# KiCad board LI_ION_charger_5Vout.kicad_pcb (continued)
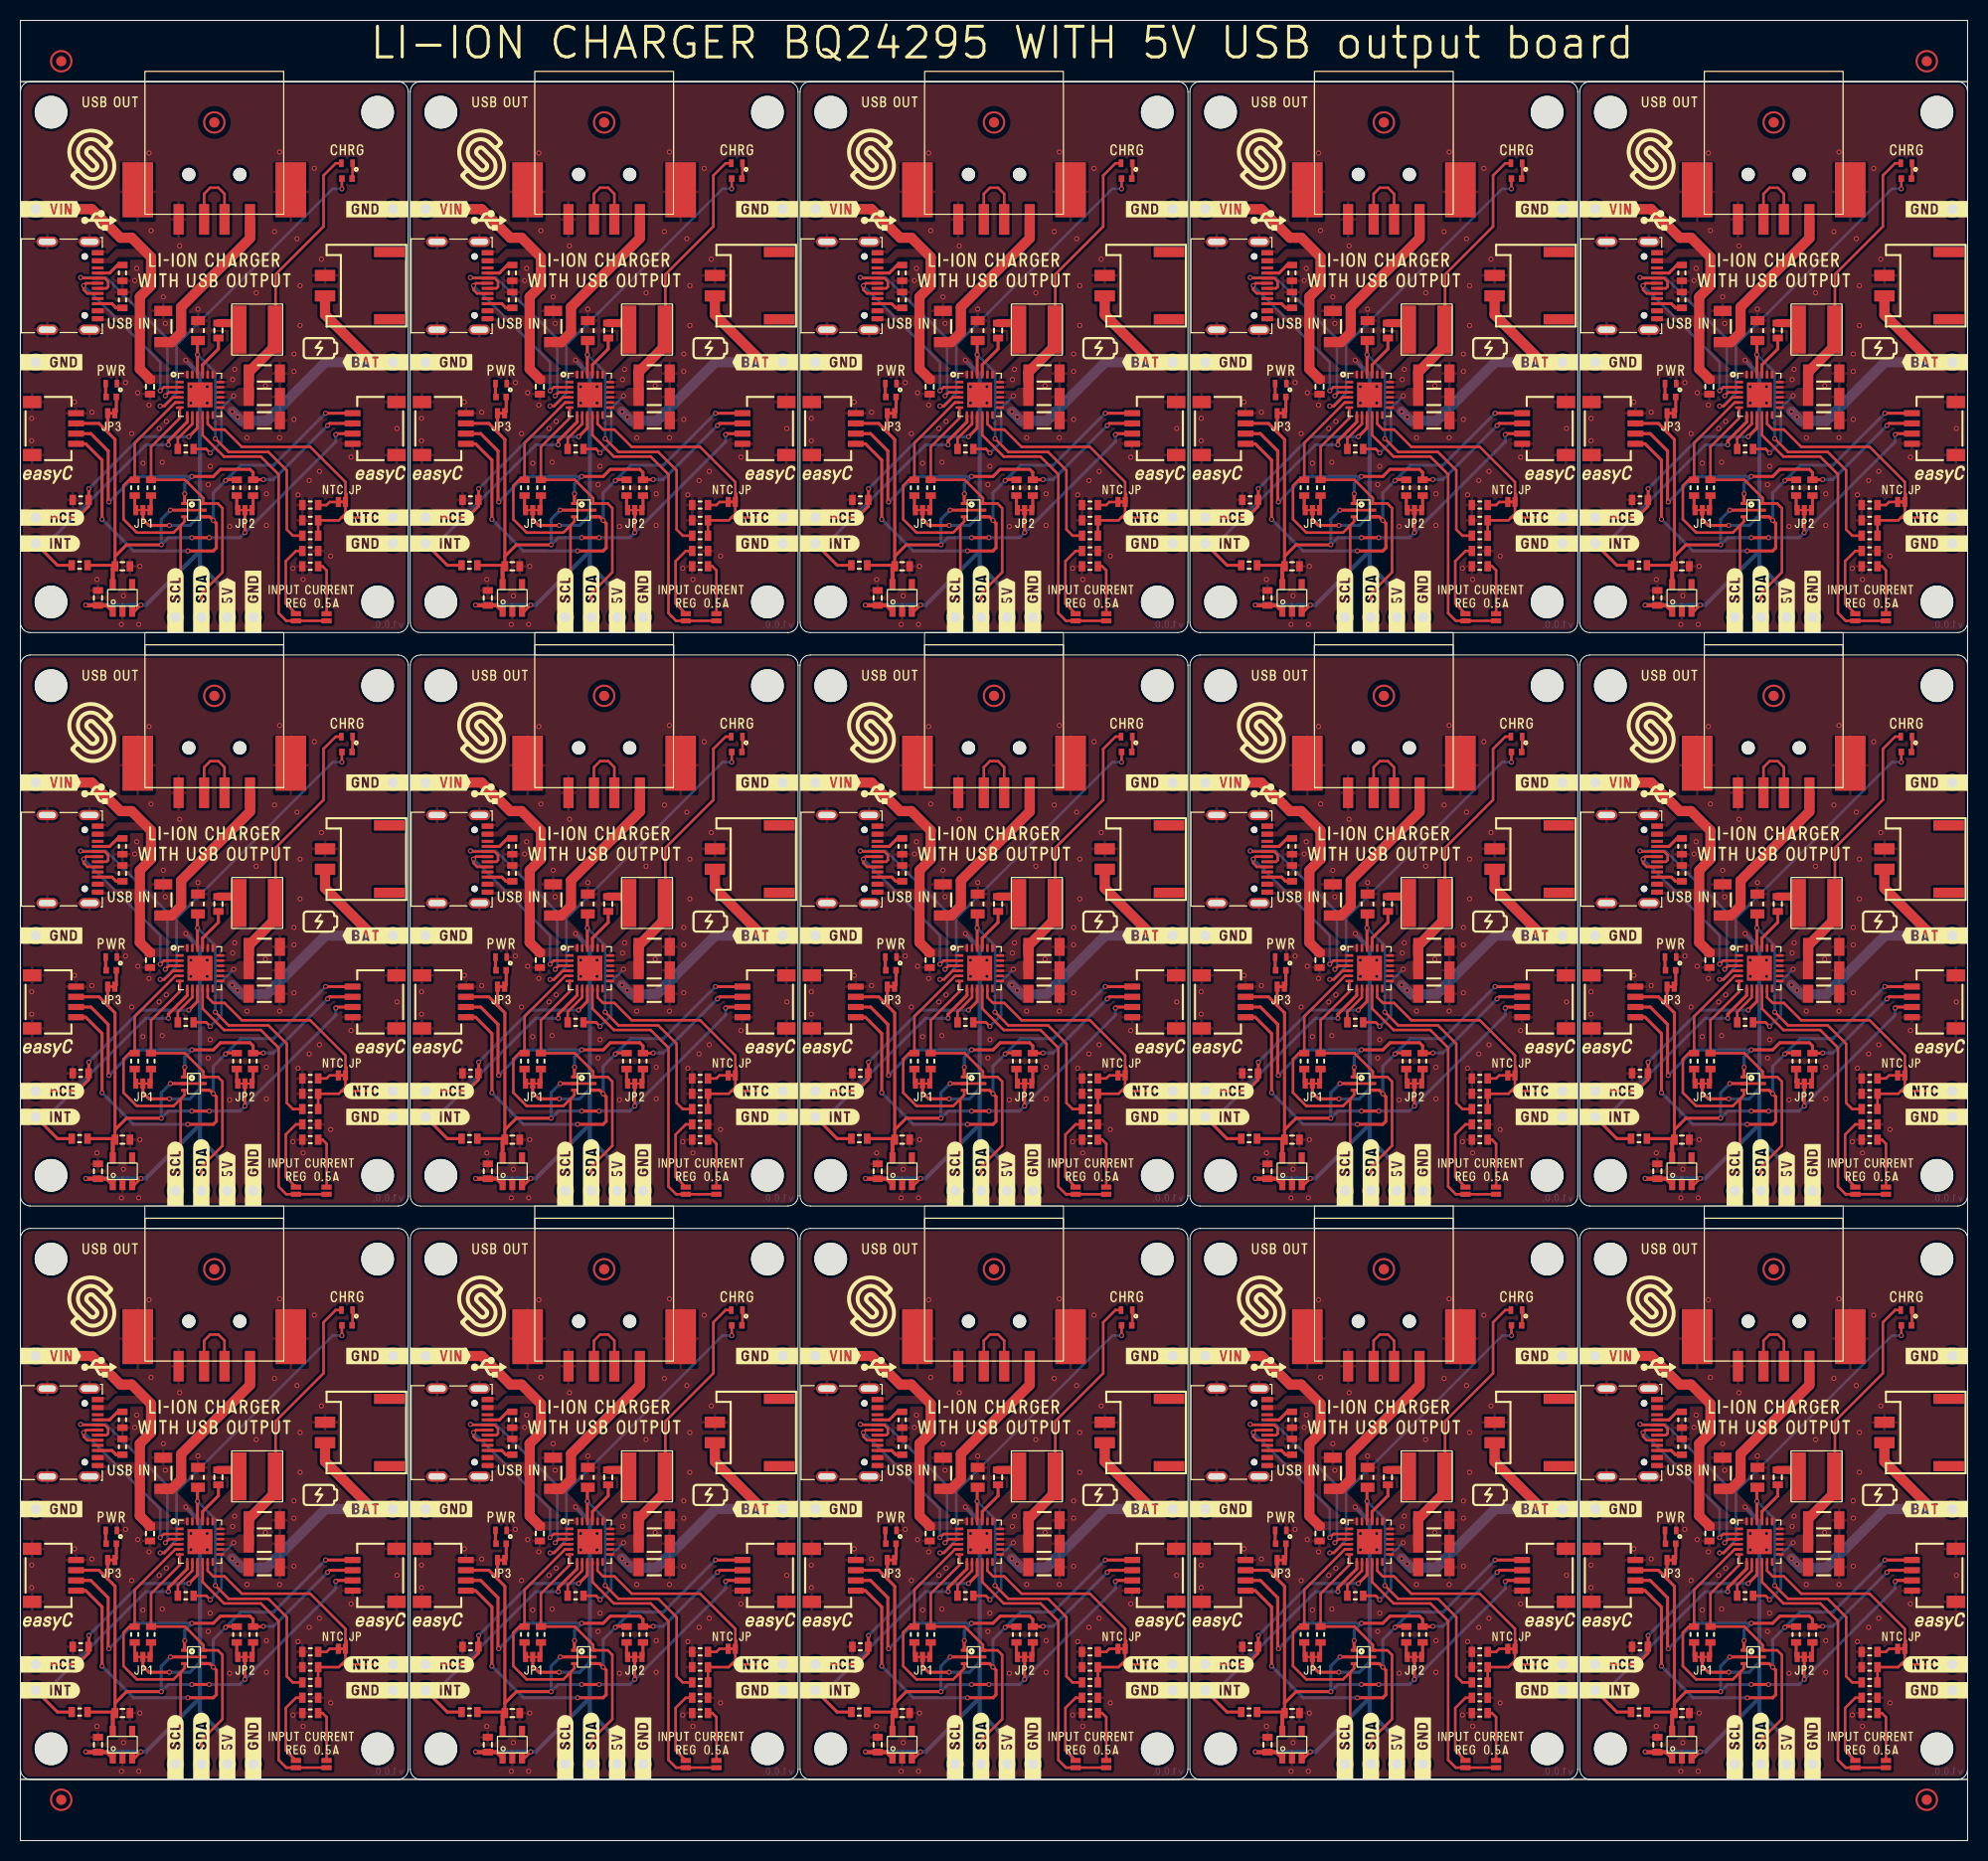
[diagram p0: board, top side]
## Placement (name value [footprint] x y rotation side) (continued)
H3#6  -  [HOLE_3.2mm]  35 121.4 0 top
H3#7  -  [HOLE_3.2mm]  35 9 0 top
H3#8  -  [HOLE_3.2mm]  187.8 121.4 0 top
H3#9  -  [HOLE_3.2mm]  73.2 9 0 top
H3#10  -  [HOLE_3.2mm]  149.6 9 0 top
H3#11  -  [HOLE_3.2mm]  111.4 9 0 top
H3#12  -  [HOLE_3.2mm]  35 65.2 0 top
H3#13  -  [HOLE_3.2mm]  73.2 65.2 0 top
H3#14  -  [HOLE_3.2mm]  149.6 65.2 0 top
H3#15  -  [HOLE_3.2mm]  149.6 121.4 0 top
H4  -  [HOLE_3.2mm]  35 169.4 0 top
H4#2  -  [HOLE_3.2mm]  149.6 57 0 top
H4#3  -  [HOLE_3.2mm]  187.8 169.4 0 top
H4#4  -  [HOLE_3.2mm]  111.4 113.2 0 top
H4#5  -  [HOLE_3.2mm]  187.8 57 0 top
H4#6  -  [HOLE_3.2mm]  35 57 0 top
H4#7  -  [HOLE_3.2mm]  149.6 113.2 0 top
H4#8  -  [HOLE_3.2mm]  73.2 113.2 0 top
H4#9  -  [HOLE_3.2mm]  73.2 169.4 0 top
H4#10  -  [HOLE_3.2mm]  111.4 169.4 0 top
H4#11  -  [HOLE_3.2mm]  149.6 169.4 0 top
H4#12  -  [HOLE_3.2mm]  73.2 57 0 top
H4#13  -  [HOLE_3.2mm]  35 113.2 0 top
H4#14  -  [HOLE_3.2mm]  187.8 113.2 0 top
H4#15  -  [HOLE_3.2mm]  111.4 57 0 top
JP1  -  [SMD_JUMPER_3_PAD_TRACE]  126.6 130.4 0 top
JP1#2  -  [SMD_JUMPER_3_PAD_TRACE]  50.2 130.4 0 top
JP1#3  -  [SMD_JUMPER_3_PAD_TRACE]  12 130.4 0 top
JP1#4  -  [SMD_JUMPER_3_PAD_TRACE]  164.8 18 0 top
JP1#5  -  [SMD_JUMPER_3_PAD_TRACE]  50.2 18 0 top
JP1#6  -  [SMD_JUMPER_3_PAD_TRACE]  126.6 18 0 top
JP1#7  -  [SMD_JUMPER_3_PAD_TRACE]  164.8 130.4 0 top
JP1#8  -  [SMD_JUMPER_3_PAD_TRACE]  126.6 74.2 0 top
JP1#9  -  [SMD_JUMPER_3_PAD_TRACE]  164.8 74.2 0 top
JP1#10  -  [SMD_JUMPER_3_PAD_TRACE]  88.4 130.4 0 top
JP1#11  -  [SMD_JUMPER_3_PAD_TRACE]  50.2 74.2 0 top
JP1#12  -  [SMD_JUMPER_3_PAD_TRACE]  88.4 74.2 0 top
JP1#13  -  [SMD_JUMPER_3_PAD_TRACE]  12 18 0 top
JP1#14  -  [SMD_JUMPER_3_PAD_TRACE]  12 74.2 0 top
JP1#15  -  [SMD_JUMPER_3_PAD_TRACE]  88.4 18 0 top
JP2  -  [SMD-JUMPER-CONNECTED_TRACE_SLODERMASK]  107.9 131.2 180 top
JP2#2  -  [SMD-JUMPER-CONNECTED_TRACE_SLODERMASK]  31.5 131.2 180 top
JP2#3  -  [SMD-JUMPER-CONNECTED_TRACE_SLODERMASK]  184.3 75 180 top
JP2#4  -  [SMD-JUMPER-CONNECTED_TRACE_SLODERMASK]  184.3 18.8 180 top
JP2#5  -  [SMD-JUMPER-CONNECTED_TRACE_SLODERMASK]  107.9 75 180 top
JP2#6  -  [SMD-JUMPER-CONNECTED_TRACE_SLODERMASK]  184.3 131.2 180 top
JP2#7  -  [SMD-JUMPER-CONNECTED_TRACE_SLODERMASK]  107.9 18.8 180 top
JP2#8  -  [SMD-JUMPER-CONNECTED_TRACE_SLODERMASK]  146.1 75 180 top
JP2#9  -  [SMD-JUMPER-CONNECTED_TRACE_SLODERMASK]  69.7 75 180 top
JP2#10  -  [SMD-JUMPER-CONNECTED_TRACE_SLODERMASK]  69.7 18.8 180 top
JP2#11  -  [SMD-JUMPER-CONNECTED_TRACE_SLODERMASK]  146.1 18.8 180 top
JP2#12  -  [SMD-JUMPER-CONNECTED_TRACE_SLODERMASK]  69.7 131.2 180 top
JP2#13  -  [SMD-JUMPER-CONNECTED_TRACE_SLODERMASK]  146.1 131.2 180 top
JP2#14  -  [SMD-JUMPER-CONNECTED_TRACE_SLODERMASK]  31.5 75 180 top
JP2#15  -  [SMD-JUMPER-CONNECTED_TRACE_SLODERMASK]  31.5 18.8 180 top
JP3  -  [SMD_JUMPER_3_PAD_TRACE]  98.4 74.2 0 top
JP3#2  -  [SMD_JUMPER_3_PAD_TRACE]  22 130.4 0 top
JP3#3  -  [SMD_JUMPER_3_PAD_TRACE]  174.8 130.4 0 top
JP3#4  -  [SMD_JUMPER_3_PAD_TRACE]  22 18 0 top
JP3#5  -  [SMD_JUMPER_3_PAD_TRACE]  98.4 130.4 0 top
JP3#6  -  [SMD_JUMPER_3_PAD_TRACE]  60.2 74.2 0 top
JP3#7  -  [SMD_JUMPER_3_PAD_TRACE]  174.8 74.2 0 top
JP3#8  -  [SMD_JUMPER_3_PAD_TRACE]  60.2 18 0 top
JP3#9  -  [SMD_JUMPER_3_PAD_TRACE]  136.6 130.4 0 top
JP3#10  -  [SMD_JUMPER_3_PAD_TRACE]  98.4 18 0 top
JP3#11  -  [SMD_JUMPER_3_PAD_TRACE]  136.6 74.2 0 top
JP3#12  -  [SMD_JUMPER_3_PAD_TRACE]  60.2 130.4 0 top
JP3#13  -  [SMD_JUMPER_3_PAD_TRACE]  174.8 18 0 top
JP3#14  -  [SMD_JUMPER_3_PAD_TRACE]  22 74.2 0 top
JP3#15  -  [SMD_JUMPER_3_PAD_TRACE]  136.6 18 0 top
JP4  SMD-JUMPER-CONNECTED  [SMD_JUMPER_CONNECTED]  103.4 119.9 270 top
JP4#2  SMD-JUMPER-CONNECTED  [SMD_JUMPER_CONNECTED]  65.2 119.9 270 top
JP4#3  SMD-JUMPER-CONNECTED  [SMD_JUMPER_CONNECTED]  141.6 7.5 270 top
JP4#4  SMD-JUMPER-CONNECTED  [SMD_JUMPER_CONNECTED]  27 119.9 270 top
JP4#5  SMD-JUMPER-CONNECTED  [SMD_JUMPER_CONNECTED]  141.6 63.7 270 top
JP4#6  SMD-JUMPER-CONNECTED  [SMD_JUMPER_CONNECTED]  65.2 7.5 270 top
JP4#7  SMD-JUMPER-CONNECTED  [SMD_JUMPER_CONNECTED]  103.4 7.5 270 top
JP4#8  SMD-JUMPER-CONNECTED  [SMD_JUMPER_CONNECTED]  141.6 119.9 270 top
JP4#9  SMD-JUMPER-CONNECTED  [SMD_JUMPER_CONNECTED]  179.8 63.7 270 top
JP4#10  SMD-JUMPER-CONNECTED  [SMD_JUMPER_CONNECTED]  65.2 63.7 270 top
JP4#11  SMD-JUMPER-CONNECTED  [SMD_JUMPER_CONNECTED]  27 63.7 270 top
JP4#12  SMD-JUMPER-CONNECTED  [SMD_JUMPER_CONNECTED]  179.8 119.9 270 top
JP4#13  SMD-JUMPER-CONNECTED  [SMD_JUMPER_CONNECTED]  103.4 63.7 270 top
JP4#14  SMD-JUMPER-CONNECTED  [SMD_JUMPER_CONNECTED]  179.8 7.5 270 top
JP4#15  SMD-JUMPER-CONNECTED  [SMD_JUMPER_CONNECTED]  27 7.5 270 top
JP5  -  [SMD_JUMPER]  144.6 7.5 270 top
JP5#2  -  [SMD_JUMPER]  144.6 119.9 270 top
JP5#3  -  [SMD_JUMPER]  30 119.9 270 top
JP5#4  -  [SMD_JUMPER]  30 7.5 270 top
JP5#5  -  [SMD_JUMPER]  68.2 7.5 270 top
JP5#6  -  [SMD_JUMPER]  182.8 7.5 270 top
JP5#7  -  [SMD_JUMPER]  68.2 119.9 270 top
JP5#8  -  [SMD_JUMPER]  106.4 7.5 270 top
JP5#9  -  [SMD_JUMPER]  182.8 63.7 270 top
JP5#10  -  [SMD_JUMPER]  106.4 63.7 270 top
JP5#11  -  [SMD_JUMPER]  68.2 63.7 270 top
JP5#12  -  [SMD_JUMPER]  30 63.7 270 top
JP5#13  -  [SMD_JUMPER]  106.4 119.9 270 top
JP5#14  -  [SMD_JUMPER]  182.8 119.9 270 top
JP5#15  -  [SMD_JUMPER]  144.6 63.7 270 top
JP6  -  [SMD-JUMPER-CONNECTED_TRACE_SLODERMASK]  85.3 27.5 0 top
JP6#2  -  [SMD-JUMPER-CONNECTED_TRACE_SLODERMASK]  8.9 139.9 0 top
JP6#3  -  [SMD-JUMPER-CONNECTED_TRACE_SLODERMASK]  8.9 27.5 0 top
JP6#4  -  [SMD-JUMPER-CONNECTED_TRACE_SLODERMASK]  123.5 27.5 0 top
JP6#5  -  [SMD-JUMPER-CONNECTED_TRACE_SLODERMASK]  161.7 139.9 0 top
JP6#6  -  [SMD-JUMPER-CONNECTED_TRACE_SLODERMASK]  85.3 83.7 0 top
JP6#7  -  [SMD-JUMPER-CONNECTED_TRACE_SLODERMASK]  123.5 139.9 0 top
JP6#8  -  [SMD-JUMPER-CONNECTED_TRACE_SLODERMASK]  47.1 27.5 0 top
JP6#9  -  [SMD-JUMPER-CONNECTED_TRACE_SLODERMASK]  47.1 83.7 0 top
JP6#10  -  [SMD-JUMPER-CONNECTED_TRACE_SLODERMASK]  8.9 83.7 0 top
JP6#11  -  [SMD-JUMPER-CONNECTED_TRACE_SLODERMASK]  85.3 139.9 0 top
JP6#12  -  [SMD-JUMPER-CONNECTED_TRACE_SLODERMASK]  47.1 139.9 0 top
JP6#13  -  [SMD-JUMPER-CONNECTED_TRACE_SLODERMASK]  161.7 27.5 0 top
JP6#14  -  [SMD-JUMPER-CONNECTED_TRACE_SLODERMASK]  161.7 83.7 0 top
JP6#15  -  [SMD-JUMPER-CONNECTED_TRACE_SLODERMASK]  123.5 83.7 0 top
K1  -  [HEADER_MALE_2X1]  74.7 16 270 bottom
K1#2  -  [HEADER_MALE_2X1]  151.1 72.2 270 bottom
K1#3  -  [HEADER_MALE_2X1]  151.1 128.4 270 bottom
K1#4  -  [HEADER_MALE_2X1]  189.3 16 270 bottom
K1#5  -  [HEADER_MALE_2X1]  112.9 72.2 270 bottom
K1#6  -  [HEADER_MALE_2X1]  36.5 16 270 bottom
K1#7  -  [HEADER_MALE_2X1]  74.7 72.2 270 bottom
K1#8  -  [HEADER_MALE_2X1]  151.1 16 270 bottom
K1#9  -  [HEADER_MALE_2X1]  74.7 128.4 270 bottom
K1#10  -  [HEADER_MALE_2X1]  112.9 128.4 270 bottom
K1#11  -  [HEADER_MALE_2X1]  36.5 72.2 270 bottom
K1#12  -  [HEADER_MALE_2X1]  189.3 128.4 270 bottom
K1#13  -  [HEADER_MALE_2X1]  36.5 128.4 270 bottom
K1#14  -  [HEADER_MALE_2X1]  189.3 72.2 270 bottom
K1#15  -  [HEADER_MALE_2X1]  112.9 16 270 bottom
K2  -  [HEADER_MALE_1X1]  77.9 103.7 180 bottom
K2#2  -  [HEADER_MALE_1X1]  154.3 103.7 180 bottom
K2#3  -  [HEADER_MALE_1X1]  39.7 103.7 180 bottom
K2#4  -  [HEADER_MALE_1X1]  116.1 159.9 180 bottom
K2#5  -  [HEADER_MALE_1X1]  1.5 47.5 180 bottom
K2#6  -  [HEADER_MALE_1X1]  154.3 159.9 180 bottom
K2#7  -  [HEADER_MALE_1X1]  77.9 159.9 180 bottom
K2#8  -  [HEADER_MALE_1X1]  1.5 103.7 180 bottom
K2#9  -  [HEADER_MALE_1X1]  77.9 47.5 180 bottom
K2#10  -  [HEADER_MALE_1X1]  116.1 103.7 180 bottom
K2#11  -  [HEADER_MALE_1X1]  39.7 47.5 180 bottom
K2#12  -  [HEADER_MALE_1X1]  1.5 159.9 180 bottom
K2#13  -  [HEADER_MALE_1X1]  116.1 47.5 180 bottom
K2#14  -  [HEADER_MALE_1X1]  39.7 159.9 180 bottom
K2#15  -  [HEADER_MALE_1X1]  154.3 47.5 180 bottom
K3  -  [HEADER_MALE_1X1]  39.7 144.9 180 bottom
K3#2  -  [HEADER_MALE_1X1]  1.5 144.9 180 bottom
K3#3  -  [HEADER_MALE_1X1]  1.5 88.7 180 bottom
K3#4  -  [HEADER_MALE_1X1]  39.7 32.5 180 bottom
K3#5  -  [HEADER_MALE_1X1]  77.9 144.9 180 bottom
K3#6  -  [HEADER_MALE_1X1]  116.1 144.9 180 bottom
K3#7  -  [HEADER_MALE_1X1]  1.5 32.5 180 bottom
K3#8  -  [HEADER_MALE_1X1]  77.9 32.5 180 bottom
K3#9  -  [HEADER_MALE_1X1]  154.3 88.7 180 bottom
K3#10  -  [HEADER_MALE_1X1]  77.9 88.7 180 bottom
K3#11  -  [HEADER_MALE_1X1]  154.3 144.9 180 bottom
K3#12  -  [HEADER_MALE_1X1]  116.1 88.7 180 bottom
K3#13  -  [HEADER_MALE_1X1]  116.1 32.5 180 bottom
K3#14  -  [HEADER_MALE_1X1]  154.3 32.5 180 bottom
K3#15  -  [HEADER_MALE_1X1]  39.7 88.7 180 bottom
K4  -  [U262-161N-4BVC11]  5.1 152.4 270 top
K4#2  -  [U262-161N-4BVC11]  81.5 96.2 270 top
K4#3  -  [U262-161N-4BVC11]  5.1 40 270 top
K4#4  -  [U262-161N-4BVC11]  119.7 96.2 270 top
K4#5  -  [U262-161N-4BVC11]  119.7 152.4 270 top
K4#6  -  [U262-161N-4BVC11]  81.5 40 270 top
K4#7  -  [U262-161N-4BVC11]  43.3 40 270 top
K4#8  -  [U262-161N-4BVC11]  157.9 96.2 270 top
K4#9  -  [U262-161N-4BVC11]  81.5 152.4 270 top
K4#10  -  [U262-161N-4BVC11]  43.3 96.2 270 top
K4#11  -  [U262-161N-4BVC11]  119.7 40 270 top
K4#12  -  [U262-161N-4BVC11]  5.1 96.2 270 top
K4#13  -  [U262-161N-4BVC11]  157.9 40 270 top
K4#14  -  [U262-161N-4BVC11]  157.9 152.4 270 top
K4#15  -  [U262-161N-4BVC11]  43.3 152.4 270 top
K5  easyC-SMD  [easyC-connector]  72.9 138.4 270 top
K5#2  easyC-SMD  [easyC-connector]  111.1 82.2 270 top
K5#3  easyC-SMD  [easyC-connector]  34.7 138.4 270 top
K5#4  easyC-SMD  [easyC-connector]  34.7 26 270 top
K5#5  easyC-SMD  [easyC-connector]  111.1 138.4 270 top
K5#6  easyC-SMD  [easyC-connector]  72.9 26 270 top
K5#7  easyC-SMD  [easyC-connector]  149.3 82.2 270 top
K5#8  easyC-SMD  [easyC-connector]  149.3 138.4 270 top
K5#9  easyC-SMD  [easyC-connector]  34.7 82.2 270 top
K5#10  easyC-SMD  [easyC-connector]  111.1 26 270 top
K5#11  easyC-SMD  [easyC-connector]  187.5 138.4 270 top
K5#12  easyC-SMD  [easyC-connector]  72.9 82.2 270 top
K5#13  easyC-SMD  [easyC-connector]  187.5 82.2 270 top
K5#14  easyC-SMD  [easyC-connector]  187.5 26 270 top
K5#15  easyC-SMD  [easyC-connector]  149.3 26 270 top
K6  -  [HEADER_MALE_4X1]  19 7.5 180 bottom
K6#2  -  [HEADER_MALE_4X1]  19 119.9 180 bottom
K6#3  -  [HEADER_MALE_4X1]  171.8 63.7 180 bottom
K6#4  -  [HEADER_MALE_4X1]  171.8 7.5 180 bottom
K6#5  -  [HEADER_MALE_4X1]  57.2 119.9 180 bottom
K6#6  -  [HEADER_MALE_4X1]  171.8 119.9 180 bottom
K6#7  -  [HEADER_MALE_4X1]  57.2 63.7 180 bottom
K6#8  -  [HEADER_MALE_4X1]  95.4 7.5 180 bottom
K6#9  -  [HEADER_MALE_4X1]  133.6 7.5 180 bottom
K6#10  -  [HEADER_MALE_4X1]  133.6 119.9 180 bottom
K6#11  -  [HEADER_MALE_4X1]  133.6 63.7 180 bottom
K6#12  -  [HEADER_MALE_4X1]  57.2 7.5 180 bottom
K6#13  -  [HEADER_MALE_4X1]  95.4 63.7 180 bottom
K6#14  -  [HEADER_MALE_4X1]  95.4 119.9 180 bottom
K6#15  -  [HEADER_MALE_4X1]  19 63.7 180 bottom
K7  -  [JST-2pin-SMD]  71.2 96.2 270 top
K7#2  -  [JST-2pin-SMD]  147.6 96.2 270 top
K7#3  -  [JST-2pin-SMD]  71.2 40 270 top
K7#4  -  [JST-2pin-SMD]  109.4 40 270 top
K7#5  -  [JST-2pin-SMD]  185.8 40 270 top
K7#6  -  [JST-2pin-SMD]  33 40 270 top
K7#7  -  [JST-2pin-SMD]  185.8 152.4 270 top
K7#8  -  [JST-2pin-SMD]  147.6 152.4 270 top
K7#9  -  [JST-2pin-SMD]  109.4 96.2 270 top
K7#10  -  [JST-2pin-SMD]  109.4 152.4 270 top
K7#11  -  [JST-2pin-SMD]  71.2 152.4 270 top
K7#12  -  [JST-2pin-SMD]  185.8 96.2 270 top
K7#13  -  [JST-2pin-SMD]  33 152.4 270 top
K7#14  -  [JST-2pin-SMD]  33 96.2 270 top
K7#15  -  [JST-2pin-SMD]  147.6 40 270 top
K8  -  [HEADER_MALE_1X1]  36.5 88.7 180 bottom
K8#2  -  [HEADER_MALE_1X1]  189.3 144.9 180 bottom
K8#3  -  [HEADER_MALE_1X1]  189.3 88.7 180 bottom
K8#4  -  [HEADER_MALE_1X1]  112.9 88.7 180 bottom
K8#5  -  [HEADER_MALE_1X1]  36.5 144.9 180 bottom
K8#6  -  [HEADER_MALE_1X1]  74.7 144.9 180 bottom
K8#7  -  [HEADER_MALE_1X1]  112.9 144.9 180 bottom
K8#8  -  [HEADER_MALE_1X1]  74.7 32.5 180 bottom
K8#9  -  [HEADER_MALE_1X1]  151.1 32.5 180 bottom
K8#10  -  [HEADER_MALE_1X1]  36.5 32.5 180 bottom
K8#11  -  [HEADER_MALE_1X1]  151.1 88.7 180 bottom
K8#12  -  [HEADER_MALE_1X1]  112.9 32.5 180 bottom
K8#13  -  [HEADER_MALE_1X1]  74.7 88.7 180 bottom
K8#14  -  [HEADER_MALE_1X1]  151.1 144.9 180 bottom
K8#15  -  [HEADER_MALE_1X1]  189.3 32.5 180 bottom
K9  -  [HEADER_MALE_1X1]  74.7 47.5 180 bottom
K9#2  -  [HEADER_MALE_1X1]  151.1 159.9 180 bottom
K9#3  -  [HEADER_MALE_1X1]  189.3 47.5 180 bottom
K9#4  -  [HEADER_MALE_1X1]  112.9 103.7 180 bottom
K9#5  -  [HEADER_MALE_1X1]  112.9 159.9 180 bottom
K9#6  -  [HEADER_MALE_1X1]  36.5 103.7 180 bottom
K9#7  -  [HEADER_MALE_1X1]  189.3 103.7 180 bottom
K9#8  -  [HEADER_MALE_1X1]  151.1 47.5 180 bottom
K9#9  -  [HEADER_MALE_1X1]  189.3 159.9 180 bottom
K9#10  -  [HEADER_MALE_1X1]  112.9 47.5 180 bottom
K9#11  -  [HEADER_MALE_1X1]  74.7 159.9 180 bottom
K9#12  -  [HEADER_MALE_1X1]  36.5 159.9 180 bottom
K9#13  -  [HEADER_MALE_1X1]  36.5 47.5 180 bottom
K9#14  -  [HEADER_MALE_1X1]  74.7 103.7 180 bottom
K9#15  -  [HEADER_MALE_1X1]  151.1 103.7 180 bottom
K10  -  [HEADER_MALE_2X1]  1.5 72.2 270 bottom
K10#2  -  [HEADER_MALE_2X1]  77.9 16 270 bottom
K10#3  -  [HEADER_MALE_2X1]  77.9 128.4 270 bottom
K10#4  -  [HEADER_MALE_2X1]  39.7 72.2 270 bottom
K10#5  -  [HEADER_MALE_2X1]  116.1 72.2 270 bottom
K10#6  -  [HEADER_MALE_2X1]  154.3 16 270 bottom
K10#7  -  [HEADER_MALE_2X1]  154.3 72.2 270 bottom
K10#8  -  [HEADER_MALE_2X1]  39.7 16 270 bottom
K10#9  -  [HEADER_MALE_2X1]  1.5 16 270 bottom
K10#10  -  [HEADER_MALE_2X1]  154.3 128.4 270 bottom
K10#11  -  [HEADER_MALE_2X1]  77.9 72.2 270 bottom
K10#12  -  [HEADER_MALE_2X1]  1.5 128.4 270 bottom
K10#13  -  [HEADER_MALE_2X1]  116.1 16 270 bottom
K10#14  -  [HEADER_MALE_2X1]  39.7 128.4 270 bottom
K10#15  -  [HEADER_MALE_2X1]  116.1 128.4 270 bottom
K11  easyC-SMD  [easyC-connector]  41.5 82.2 90 top
K11#2  easyC-SMD  [easyC-connector]  117.9 138.4 90 top
K11#3  easyC-SMD  [easyC-connector]  79.7 26 90 top
K11#4  easyC-SMD  [easyC-connector]  79.7 82.2 90 top
K11#5  easyC-SMD  [easyC-connector]  3.3 138.4 90 top
K11#6  easyC-SMD  [easyC-connector]  3.3 26 90 top
K11#7  easyC-SMD  [easyC-connector]  3.3 82.2 90 top
K11#8  easyC-SMD  [easyC-connector]  156.1 82.2 90 top
K11#9  easyC-SMD  [easyC-connector]  117.9 82.2 90 top
K11#10  easyC-SMD  [easyC-connector]  79.7 138.4 90 top
K11#11  easyC-SMD  [easyC-connector]  41.5 138.4 90 top
K11#12  easyC-SMD  [easyC-connector]  41.5 26 90 top
K11#13  easyC-SMD  [easyC-connector]  156.1 26 90 top
K11#14  easyC-SMD  [easyC-connector]  117.9 26 90 top
K11#15  easyC-SMD  [easyC-connector]  156.1 138.4 90 top
K12  USB_A_FEMALE_CONNECTOR  [USB_A_FEMALE_CONECTOR]  19 46.5 180 top
K12#2  USB_A_FEMALE_CONNECTOR  [USB_A_FEMALE_CONECTOR]  171.8 158.9 180 top
K12#3  USB_A_FEMALE_CONNECTOR  [USB_A_FEMALE_CONECTOR]  133.6 158.9 180 top
K12#4  USB_A_FEMALE_CONNECTOR  [USB_A_FEMALE_CONECTOR]  133.6 102.7 180 top
K12#5  USB_A_FEMALE_CONNECTOR  [USB_A_FEMALE_CONECTOR]  57.2 46.5 180 top
K12#6  USB_A_FEMALE_CONNECTOR  [USB_A_FEMALE_CONECTOR]  19 102.7 180 top
K12#7  USB_A_FEMALE_CONNECTOR  [USB_A_FEMALE_CONECTOR]  95.4 46.5 180 top
K12#8  USB_A_FEMALE_CONNECTOR  [USB_A_FEMALE_CONECTOR]  133.6 46.5 180 top
K12#9  USB_A_FEMALE_CONNECTOR  [USB_A_FEMALE_CONECTOR]  19 158.9 180 top
K12#10  USB_A_FEMALE_CONNECTOR  [USB_A_FEMALE_CONECTOR]  171.8 102.7 180 top
K12#11  USB_A_FEMALE_CONNECTOR  [USB_A_FEMALE_CONECTOR]  95.4 102.7 180 top
K12#12  USB_A_FEMALE_CONNECTOR  [USB_A_FEMALE_CONECTOR]  57.2 158.9 180 top
K12#13  USB_A_FEMALE_CONNECTOR  [USB_A_FEMALE_CONECTOR]  95.4 158.9 180 top
K12#14  USB_A_FEMALE_CONNECTOR  [USB_A_FEMALE_CONECTOR]  171.8 46.5 180 top
K12#15  USB_A_FEMALE_CONNECTOR  [USB_A_FEMALE_CONECTOR]  57.2 102.7 180 top
L1  SRN5020TA__2R2M  [SRN5020TA-2R2M]  99.6 91.9 0 top
L1#2  SRN5020TA__2R2M  [SRN5020TA-2R2M]  61.4 35.7 0 top
L1#3  SRN5020TA__2R2M  [SRN5020TA-2R2M]  176 35.7 0 top
L1#4  SRN5020TA__2R2M  [SRN5020TA-2R2M]  99.6 148.1 0 top
L1#5  SRN5020TA__2R2M  [SRN5020TA-2R2M]  23.2 91.9 0 top
L1#6  SRN5020TA__2R2M  [SRN5020TA-2R2M]  176 91.9 0 top
L1#7  SRN5020TA__2R2M  [SRN5020TA-2R2M]  23.2 148.1 0 top
L1#8  SRN5020TA__2R2M  [SRN5020TA-2R2M]  61.4 148.1 0 top
L1#9  SRN5020TA__2R2M  [SRN5020TA-2R2M]  176 148.1 0 top
L1#10  SRN5020TA__2R2M  [SRN5020TA-2R2M]  137.8 91.9 0 top
L1#11  SRN5020TA__2R2M  [SRN5020TA-2R2M]  61.4 91.9 0 top
L1#12  SRN5020TA__2R2M  [SRN5020TA-2R2M]  23.2 35.7 0 top
L1#13  SRN5020TA__2R2M  [SRN5020TA-2R2M]  137.8 148.1 0 top
L1#14  SRN5020TA__2R2M  [SRN5020TA-2R2M]  99.6 35.7 0 top
L1#15  SRN5020TA__2R2M  [SRN5020TA-2R2M]  137.8 35.7 0 top
NOREF  -  [buzzardLabel]  152.4 159.9 0 top
NOREF#2  -  [buzzardLabel]  47.1 82.4 0 top
NOREF#3  -  [buzzardLabel]  114.8 103.7 0 top
NOREF#4  -  [buzzardLabel]  61.01 61.8 90 top
NOREF#5  -  [buzzardLabel]  65.2 8.9 0 top
NOREF#6  -  [buzzardLabel]  191.2 14.73 0 top
NOREF#7  -  [buzzardLabel]  76.6 159.9 0 top
NOREF#8  -  [buzzardLabel]  32 109.5 0 top
NOREF#9  -  [buzzardLabel]  37.8 144.9 0 top
NOREF#10  -  [buzzardLabel]  76 129.67 0 top
NOREF#11  -  [buzzardLabel]  66.7 122.6 0 top
NOREF#12  -  [buzzardLabel]  96.67 5.6 90 top
NOREF#13  -  [buzzardLabel]  8.9 87.9 0 top
NOREF#14  -  [buzzardLabel]  161.7 87.9 0 top
NOREF#15  -  [buzzardLabel]  87 148.7 0 top
NOREF#16  -  [buzzardLabel]  99.21 118 90 top
NOREF#17  -  [buzzardLabel]  55.93 118 90 top
NOREF#18  -  [buzzardLabel]  47 170.4 0 top
NOREF#19  -  [buzzardLabel]  17.73 118 90 top
NOREF#20  -  [buzzardLabel]  161.7 144.1 0 top
NOREF#21  -  [buzzardLabel]  152.4 129.67 0 top
NOREF#22  -  [buzzardLabel]  114.8 73.47 0 top
NOREF#23  -  [buzzardLabel]  68.2 8.9 0 top
NOREF#24  -  [buzzardLabel]  95.4 40.5 0 top
NOREF#25  -  [buzzardLabel]  76.6 70.93 0 top
NOREF#26  -  [buzzardLabel]  114.2 103.7 0 top
NOREF#27  -  [buzzardLabel]  47.1 144.1 0 top
NOREF#28  -  [buzzardLabel]  85.3 87.9 0 top
NOREF#29  -  [buzzardLabel]  114.2 14.73 0 top
NOREF#30  -  [buzzardLabel]  152.4 17.27 0 top
NOREF#31  -  [buzzardLabel]  91.59 5.6 90 top
NOREF#32  -  [buzzardLabel]  30 65.1 0 top
NOREF#33  -  [buzzardLabel]  114.2 144.9 0 top
NOREF#34  -  [buzzardLabel]  22.81 118 90 top
NOREF#35  -  [buzzardLabel]  191.2 70.93 0 top
NOREF#36  -  [buzzardLabel]  114.8 32.5 0 top
NOREF#37  -  [buzzardLabel]  170.53 118 90 top
NOREF#38  -  [buzzardLabel]  132.33 5.6 90 top
NOREF#39  -  [buzzardLabel]  179.8 8.9 0 top
NOREF#40  -  [buzzardLabel]  136.6 129.1 0 top
NOREF#41  -  [buzzardLabel]  114.2 88.7 0 top
NOREF#42  -  [buzzardLabel]  136.6 16.7 0 top
NOREF#43  -  [buzzardLabel]  171.8 98.7 0 top
NOREF#44  -  [buzzardLabel]  38.4 32.5 0 top
NOREF#45  -  [buzzardLabel]  125.2 92.5 0 top
NOREF#46  -  [buzzardLabel]  95.4 152.9 0 top
NOREF#47  -  [buzzardLabel]  114.2 129.67 0 top
NOREF#48  -  [buzzardLabel]  70.2 53.3 0 top
NOREF#49  -  [buzzardLabel]  153 129.67 0 top
NOREF#50  -  [buzzardLabel]  85.3 138.6 0 top
NOREF#51  -  [buzzardLabel]  114.2 32.5 0 top
NOREF#52  -  [buzzardLabel]  191.2 32.5 0 top
NOREF#53  -  [buzzardLabel]  -0.4 70.93 0 top
NOREF#54  -  [buzzardLabel]  146.6 109.5 0 top
NOREF#55  -  [buzzardLabel]  103.4 65.1 0 top
NOREF#56  -  [buzzardLabel]  76.6 144.9 0 top
NOREF#57  -  [buzzardLabel]  69.7 20 0 top
NOREF#58  -  [buzzardLabel]  106.4 65.1 0 top
NOREF#59  -  [buzzardLabel]  55.93 61.8 90 top
NOREF#60  -  [buzzardLabel]  31.5 76.2 0 top
NOREF#61  -  [buzzardLabel]  8.9 26.2 0 top
NOREF#62  -  [buzzardLabel]  133.6 96.7 0 top
NOREF#63  -  [buzzardLabel]  76 32.5 0 top
NOREF#64  -  [buzzardLabel]  137.41 5.6 90 top
NOREF#65  -  [buzzardLabel]  8.9 31.7 0 top
NOREF#66  -  [buzzardLabel]  76.6 127.13 0 top
NOREF#67  -  [buzzardLabel]  153 144.9 0 top
NOREF#68  -  [buzzardLabel]  47.1 31.7 0 top
NOREF#69  -  [buzzardLabel]  48.8 36.3 0 top
NOREF#70  -  [buzzardLabel]  68.2 65.1 0 top
NOREF#71  -  [buzzardLabel]  19 98.7 0 top
NOREF#72  -  [buzzardLabel]  144.6 121.3 0 top
NOREF#73  -  [buzzardLabel]  19 96.7 0 top
NOREF#74  -  [buzzardLabel]  98.4 129.1 0 top
NOREF#75  -  [buzzardLabel]  88.4 129.1 0 top
NOREF#76  -  [buzzardLabel]  65.2 65.1 0 top
NOREF#77  -  [buzzardLabel]  57.2 40.5 0 top
NOREF#78  -  [buzzardLabel]  173.07 61.8 90 top
NOREF#79  -  [buzzardLabel]  30 121.3 0 top
NOREF#80  -  [buzzardLabel]  132.33 61.8 90 top
NOREF#81  -  [buzzardLabel]  171.8 42.5 0 top
NOREF#82  -  [buzzardLabel]  22.81 61.8 90 top
NOREF#83  -  [buzzardLabel]  58.47 61.8 90 top
NOREF#84  -  [buzzardLabel]  123.5 144.1 0 top
NOREF#85  -  [buzzardLabel]  152.4 14.73 0 top
NOREF#86  -  [buzzardLabel]  133.6 152.9 0 top
NOREF#87  -  [buzzardLabel]  137.41 118 90 top
NOREF#88  -  [buzzardLabel]  17.73 61.8 90 top
NOREF#89  -  [buzzardLabel]  85.2 170.4 0 top
NOREF#90  -  [buzzardLabel]  57.2 96.7 0 top
NOREF#91  -  [buzzardLabel]  167.99 118 90 top
NOREF#92  -  [buzzardLabel]  22 129.1 0 top
NOREF#93  -  [buzzardLabel]  38.4 144.9 0 top
NOREF#94  -  [buzzardLabel]  153 159.9 0 top
NOREF#95  -  [buzzardLabel]  134.87 118 90 top
NOREF#96  -  [buzzardLabel]  85.3 26.2 0 top
NOREF#97  -  [buzzardLabel]  167.99 5.6 90 top
NOREF#98  -  [buzzardLabel]  19 40.5 0 top
NOREF#99  -  [buzzardLabel]  114.8 70.93 0 top
NOREF#100  -  [buzzardLabel]  96.67 61.8 90 top
NOREF#101  -  [buzzardLabel]  114.8 17.27 0 top
NOREF#102  -  [buzzardLabel]  179.8 121.3 0 top
NOREF#103  -  [buzzardLabel]  76 70.93 0 top
NOREF#104  -  [buzzardLabel]  37.8 17.27 0 top
NOREF#105  -  [buzzardLabel]  38.4 88.7 0 top
NOREF#106  -  [buzzardLabel]  184.3 132.4 0 top
NOREF#107  -  [buzzardLabel]  76 159.9 0 top
NOREF#108  -  [buzzardLabel]  91.59 61.8 90 top
NOREF#109  -  [buzzardLabel]  103.4 121.3 0 top
NOREF#110  -  [buzzardLabel]  85.2 58 0 top
NOREF#111  -  [buzzardLabel]  153 73.47 0 top
NOREF#112  -  [buzzardLabel]  182.8 121.3 0 top
NOREF#113  -  [buzzardLabel]  32 53.3 0 top
NOREF#114  -  [buzzardLabel]  153 88.7 0 top
NOREF#115  -  [buzzardLabel]  61.01 118 90 top
NOREF#116  -  [buzzardLabel]  20.27 118 90 top
NOREF#117  -  [buzzardLabel]  -0.4 159.9 0 top
NOREF#118  -  [buzzardLabel]  10.6 92.5 0 top
NOREF#119  -  [buzzardLabel]  123.5 138.6 0 top
NOREF#120  -  [buzzardLabel]  8.9 144.1 0 top
NOREF#121  -  [buzzardLabel]  -0.4 144.9 0 top
NOREF#122  -  [buzzardLabel]  133.6 40.5 0 top
NOREF#123  -  [buzzardLabel]  76.6 17.27 0 top
NOREF#124  -  [buzzardLabel]  8.9 82.4 0 top
NOREF#125  -  [buzzardLabel]  76 47.5 0 top
NOREF#126  -  [buzzardLabel]  27 121.3 0 top
NOREF#127  -  [buzzardLabel]  50.2 72.9 0 top
NOREF#128  -  [buzzardLabel]  -0.4 88.7 0 top
NOREF#129  -  [buzzardLabel]  91.59 118 90 top
NOREF#130  -  [buzzardLabel]  114.2 70.93 0 top
NOREF#131  -  [buzzardLabel]  125.2 36.3 0 top
NOREF#132  -  [buzzardLabel]  20.27 61.8 90 top
NOREF#133  -  [buzzardLabel]  38.4 14.73 0 top
NOREF#134  -  [buzzardLabel]  163.4 92.5 0 top
NOREF#135  -  [buzzardLabel]  182.8 8.9 0 top
NOREF#136  -  [buzzardLabel]  58.47 5.6 90 top
NOREF#137  -  [buzzardLabel]  98.4 16.7 0 top
NOREF#138  -  [buzzardLabel]  8.8 58 0 top
NOREF#139  -  [buzzardLabel]  171.8 152.9 0 top
NOREF#140  -  [buzzardLabel]  37.8 129.67 0 top
NOREF#141  -  [buzzardLabel]  184.3 76.2 0 top
NOREF#142  -  [buzzardLabel]  19 152.9 0 top
NOREF#143  -  [buzzardLabel]  108.4 53.3 0 top
NOREF#144  -  [buzzardLabel]  12 72.9 0 top
NOREF#145  -  [buzzardLabel]  175.61 61.8 90 top
NOREF#146  -  [buzzardLabel]  114.8 144.9 0 top
NOREF#147  -  [buzzardLabel]  37.8 159.9 0 top
NOREF#148  -  [buzzardLabel]  85.3 144.1 0 top
NOREF#149  -  [buzzardLabel]  167.99 61.8 90 top
NOREF#150  -  [buzzardLabel]  28.5 10.2 0 top
NOREF#151  -  [buzzardLabel]  114.8 127.13 0 top
NOREF#152  -  [buzzardLabel]  50.2 129.1 0 top
NOREF#153  -  [buzzardLabel]  12 129.1 0 top
NOREF#154  -  [buzzardLabel]  47 58 0 top
NOREF#155  -  [buzzardLabel]  137.41 61.8 90 top
NOREF#156  -  [buzzardLabel]  141.6 121.3 0 top
NOREF#157  -  [buzzardLabel]  126.6 16.7 0 top
NOREF#158  -  [buzzardLabel]  8.9 138.6 0 top
NOREF#159  -  [buzzardLabel]  161.6 58 0 top
NOREF#160  -  [buzzardLabel]  184.8 109.5 0 top
NOREF#161  -  [buzzardLabel]  153 47.5 0 top
NOREF#162  -  [buzzardLabel]  69.7 132.4 0 top
NOREF#163  -  [buzzardLabel]  164.8 129.1 0 top
NOREF#164  -  [buzzardLabel]  57.2 152.9 0 top
NOREF#165  -  [buzzardLabel]  76 73.47 0 top
NOREF#166  -  [buzzardLabel]  57.2 154.9 0 top
NOREF#167  -  [buzzardLabel]  47.1 138.6 0 top
NOREF#168  -  [buzzardLabel]  27 8.9 0 top
NOREF#169  -  [buzzardLabel]  20.27 5.6 90 top
NOREF#170  -  [buzzardLabel]  104.9 66.4 0 top
NOREF#171  -  [buzzardLabel]  126.6 72.9 0 top
NOREF#172  -  [buzzardLabel]  133.6 42.5 0 top
NOREF#173  -  [buzzardLabel]  98.4 72.9 0 top
NOREF#174  -  [buzzardLabel]  37.8 70.93 0 top
NOREF#175  -  [buzzardLabel]  10.6 36.3 0 top
NOREF#176  -  [buzzardLabel]  -0.4 14.73 0 top
NOREF#177  -  [buzzardLabel]  144.6 65.1 0 top
NOREF#178  -  [buzzardLabel]  114.2 73.47 0 top
NOREF#179  -  [buzzardLabel]  104.9 122.6 0 top
NOREF#180  -  [buzzardLabel]  76.6 32.5 0 top
NOREF#181  -  [buzzardLabel]  184.8 53.3 0 top
NOREF#182  -  [buzzardLabel]  85.2 114.2 0 top
NOREF#183  -  [buzzardLabel]  10.6 148.7 0 top
NOREF#184  -  [buzzardLabel]  19 154.9 0 top
NOREF#185  -  [buzzardLabel]  173.07 118 90 top
NOREF#186  -  [buzzardLabel]  37.8 88.7 0 top
NOREF#187  -  [buzzardLabel]  161.6 170.4 0 top
NOREF#188  -  [buzzardLabel]  -0.4 129.67 0 top
NOREF#189  -  [buzzardLabel]  191.2 88.7 0 top
NOREF#190  -  [buzzardLabel]  143.1 10.2 0 top
NOREF#191  -  [buzzardLabel]  152.4 144.9 0 top
NOREF#192  -  [buzzardLabel]  184.8 165.7 0 top
NOREF#193  -  [buzzardLabel]  143.1 66.4 0 top
NOREF#194  -  [buzzardLabel]  123.4 114.2 0 top
NOREF#195  -  [buzzardLabel]  152.4 70.93 0 top
NOREF#196  -  [buzzardLabel]  -0.4 103.7 0 top
NOREF#197  -  [buzzardLabel]  85.3 82.4 0 top
NOREF#198  -  [buzzardLabel]  123.5 26.2 0 top
NOREF#199  -  [buzzardLabel]  30 8.9 0 top
NOREF#200  -  [buzzardLabel]  170.53 61.8 90 top
NOREF#201  -  [buzzardLabel]  22 16.7 0 top
NOREF#202  -  [buzzardLabel]  37.8 32.5 0 top
NOREF#203  -  [buzzardLabel]  15.19 118 90 top
NOREF#204  -  [buzzardLabel]  60.2 129.1 0 top
NOREF#205  -  [buzzardLabel]  144.6 8.9 0 top
NOREF#206  -  [buzzardLabel]  191.2 144.9 0 top
NOREF#207  -  [buzzardLabel]  37.8 127.13 0 top
NOREF#208  -  [buzzardLabel]  76 144.9 0 top
NOREF#209  -  [buzzardLabel]  94.13 61.8 90 top
NOREF#210  -  [buzzardLabel]  76.6 47.5 0 top
NOREF#211  -  [buzzardLabel]  179.8 65.1 0 top
NOREF#212  -  [buzzardLabel]  76.6 73.47 0 top
NOREF#213  -  [buzzardLabel]  163.4 36.3 0 top
NOREF#214  -  [buzzardLabel]  181.3 122.6 0 top
NOREF#215  -  [buzzardLabel]  103.4 8.9 0 top
NOREF#216  -  [buzzardLabel]  108.4 109.5 0 top
NOREF#217  -  [buzzardLabel]  32 165.7 0 top
NOREF#218  -  [buzzardLabel]  175.61 5.6 90 top
NOREF#219  -  [buzzardLabel]  76 127.13 0 top
NOREF#220  -  [buzzardLabel]  48.8 148.7 0 top
NOREF#221  -  [buzzardLabel]  99.21 5.6 90 top
NOREF#222  -  [buzzardLabel]  114.8 47.5 0 top
NOREF#223  -  [buzzardLabel]  161.7 26.2 0 top
NOREF#224  -  [buzzardLabel]  152.4 47.5 0 top
NOREF#225  -  [buzzardLabel]  141.6 8.9 0 top
NOREF#226  -  [buzzardLabel]  123.4 170.4 0 top
NOREF#227  -  [buzzardLabel]  136.6 72.9 0 top
NOREF#228  -  [buzzardLabel]  114.8 88.7 0 top
NOREF#229  -  [buzzardLabel]  174.8 129.1 0 top
NOREF#230  -  [buzzardLabel]  134.87 61.8 90 top
NOREF#231  -  [buzzardLabel]  129.79 118 90 top
NOREF#232  -  [buzzardLabel]  28.5 122.6 0 top
NOREF#233  -  [buzzardLabel]  95.4 98.7 0 top
NOREF#234  -  [buzzardLabel]  106.4 121.3 0 top
NOREF#235  -  [buzzardLabel]  152.4 88.7 0 top
NOREF#236  -  [buzzardLabel]  88.4 72.9 0 top
NOREF#237  -  [buzzardLabel]  123.4 58 0 top
NOREF#238  -  [buzzardLabel]  38.4 17.27 0 top
NOREF#239  -  [buzzardLabel]  47.1 26.2 0 top
NOREF#240  -  [buzzardLabel]  -0.4 17.27 0 top
NOREF#241  -  [buzzardLabel]  37.8 14.73 0 top
NOREF#242  -  [buzzardLabel]  47.1 87.9 0 top
NOREF#243  -  [buzzardLabel]  58.47 118 90 top
NOREF#244  -  [buzzardLabel]  61.01 5.6 90 top
NOREF#245  -  [buzzardLabel]  -0.4 73.47 0 top
NOREF#246  -  [buzzardLabel]  174.8 16.7 0 top
NOREF#247  -  [buzzardLabel]  123.5 31.7 0 top
NOREF#248  -  [buzzardLabel]  129.79 61.8 90 top
NOREF#249  -  [buzzardLabel]  68.2 121.3 0 top
NOREF#250  -  [buzzardLabel]  191.2 103.7 0 top
NOREF#251  -  [buzzardLabel]  88.4 16.7 0 top
NOREF#252  -  [buzzardLabel]  22.81 5.6 90 top
NOREF#253  -  [buzzardLabel]  191.2 127.13 0 top
NOREF#254  -  [buzzardLabel]  171.8 154.9 0 top
NOREF#255  -  [buzzardLabel]  114.2 47.5 0 top
NOREF#256  -  [buzzardLabel]  70.2 109.5 0 top
NOREF#257  -  [buzzardLabel]  66.7 66.4 0 top
NOREF#258  -  [buzzardLabel]  15.19 5.6 90 top
NOREF#259  -  [buzzardLabel]  96.67 118 90 top
NOREF#260  -  [buzzardLabel]  108.4 165.7 0 top
NOREF#261  -  [buzzardLabel]  76 14.73 0 top
NOREF#262  -  [buzzardLabel]  153 32.5 0 top
NOREF#263  -  [buzzardLabel]  48.8 92.5 0 top
NOREF#264  -  [buzzardLabel]  161.6 114.2 0 top
NOREF#265  -  [buzzardLabel]  164.8 16.7 0 top
NOREF#266  -  [buzzardLabel]  171.8 40.5 0 top
NOREF#267  -  [buzzardLabel]  174.8 72.9 0 top
NOREF#268  -  [buzzardLabel]  152.4 73.47 0 top
NOREF#269  -  [buzzardLabel]  153 70.93 0 top
NOREF#270  -  [buzzardLabel]  153 103.7 0 top
NOREF#271  -  [buzzardLabel]  38.4 129.67 0 top
NOREF#272  -  [buzzardLabel]  47 114.2 0 top
NOREF#273  -  [buzzardLabel]  95.4 96.7 0 top
NOREF#274  -  [buzzardLabel]  38.4 47.5 0 top
NOREF#275  -  [buzzardLabel]  129.79 5.6 90 top
NOREF#276  -  [buzzardLabel]  8.8 114.2 0 top
NOREF#277  -  [buzzardLabel]  31.5 132.4 0 top
NOREF#278  -  [buzzardLabel]  107.9 132.4 0 top
NOREF#279  -  [buzzardLabel]  69.7 76.2 0 top
NOREF#280  -  [buzzardLabel]  38.4 127.13 0 top
NOREF#281  -  [buzzardLabel]  163.4 148.7 0 top
NOREF#282  -  [buzzardLabel]  133.6 154.9 0 top
NOREF#283  -  [buzzardLabel]  31.5 20 0 top
NOREF#284  -  [buzzardLabel]  191.2 47.5 0 top
NOREF#285  -  [buzzardLabel]  99.21 61.8 90 top
NOREF#286  -  [buzzardLabel]  184.3 20 0 top
NOREF#287  -  [buzzardLabel]  107.9 20 0 top
NOREF#288  -  [buzzardLabel]  17.73 5.6 90 top
NOREF#289  -  [buzzardLabel]  153 17.27 0 top
NOREF#290  -  [buzzardLabel]  175.61 118 90 top
NOREF#291  -  [buzzardLabel]  53.39 61.8 90 top
NOREF#292  -  [buzzardLabel]  94.13 118 90 top
NOREF#293  -  [buzzardLabel]  146.1 20 0 top
NOREF#294  -  [buzzardLabel]  53.39 5.6 90 top
NOREF#295  -  [buzzardLabel]  94.13 5.6 90 top
NOREF#296  -  [buzzardLabel]  27 65.1 0 top
NOREF#297  -  [buzzardLabel]  114.2 127.13 0 top
NOREF#298  -  [buzzardLabel]  171.8 96.7 0 top
NOREF#299  -  [buzzardLabel]  114.8 129.67 0 top
NOREF#300  -  [buzzardLabel]  152.4 32.5 0 top
NOREF#301  -  [buzzardLabel]  181.3 66.4 0 top
NOREF#302  -  [buzzardLabel]  37.8 47.5 0 top
NOREF#303  -  [buzzardLabel]  12 16.7 0 top
NOREF#304  -  [buzzardLabel]  133.6 98.7 0 top
NOREF#305  -  [buzzardLabel]  60.2 16.7 0 top
NOREF#306  -  [buzzardLabel]  146.6 165.7 0 top
NOREF#307  -  [buzzardLabel]  95.4 154.9 0 top
NOREF#308  -  [buzzardLabel]  141.6 65.1 0 top
NOREF#309  -  [buzzardLabel]  65.2 121.3 0 top
NOREF#310  -  [buzzardLabel]  76.6 14.73 0 top
NOREF#311  -  [buzzardLabel]  114.2 17.27 0 top
NOREF#312  -  [buzzardLabel]  173.07 5.6 90 top
NOREF#313  -  [buzzardLabel]  60.2 72.9 0 top
NOREF#314  -  [buzzardLabel]  106.4 8.9 0 top
NOREF#315  -  [buzzardLabel]  164.8 72.9 0 top
NOREF#316  -  [buzzardLabel]  182.8 65.1 0 top
NOREF#317  -  [buzzardLabel]  38.4 159.9 0 top
NOREF#318  -  [buzzardLabel]  70.2 165.7 0 top
NOREF#319  -  [buzzardLabel]  152.4 103.7 0 top
NOREF#320  -  [buzzardLabel]  85.3 31.7 0 top
NOREF#321  -  [buzzardLabel]  87 92.5 0 top
NOREF#322  -  [buzzardLabel]  -0.4 32.5 0 top
NOREF#323  -  [buzzardLabel]  123.5 87.9 0 top
NOREF#324  -  [buzzardLabel]  28.5 66.4 0 top
NOREF#325  -  [buzzardLabel]  153 127.13 0 top
NOREF#326  -  [buzzardLabel]  95.4 42.5 0 top
NOREF#327  -  [buzzardLabel]  38.4 73.47 0 top
NOREF#328  -  [buzzardLabel]  55.93 5.6 90 top
NOREF#329  -  [buzzardLabel]  107.9 76.2 0 top
